# KiCad board kup-lulz.kicad_pcb (continued)
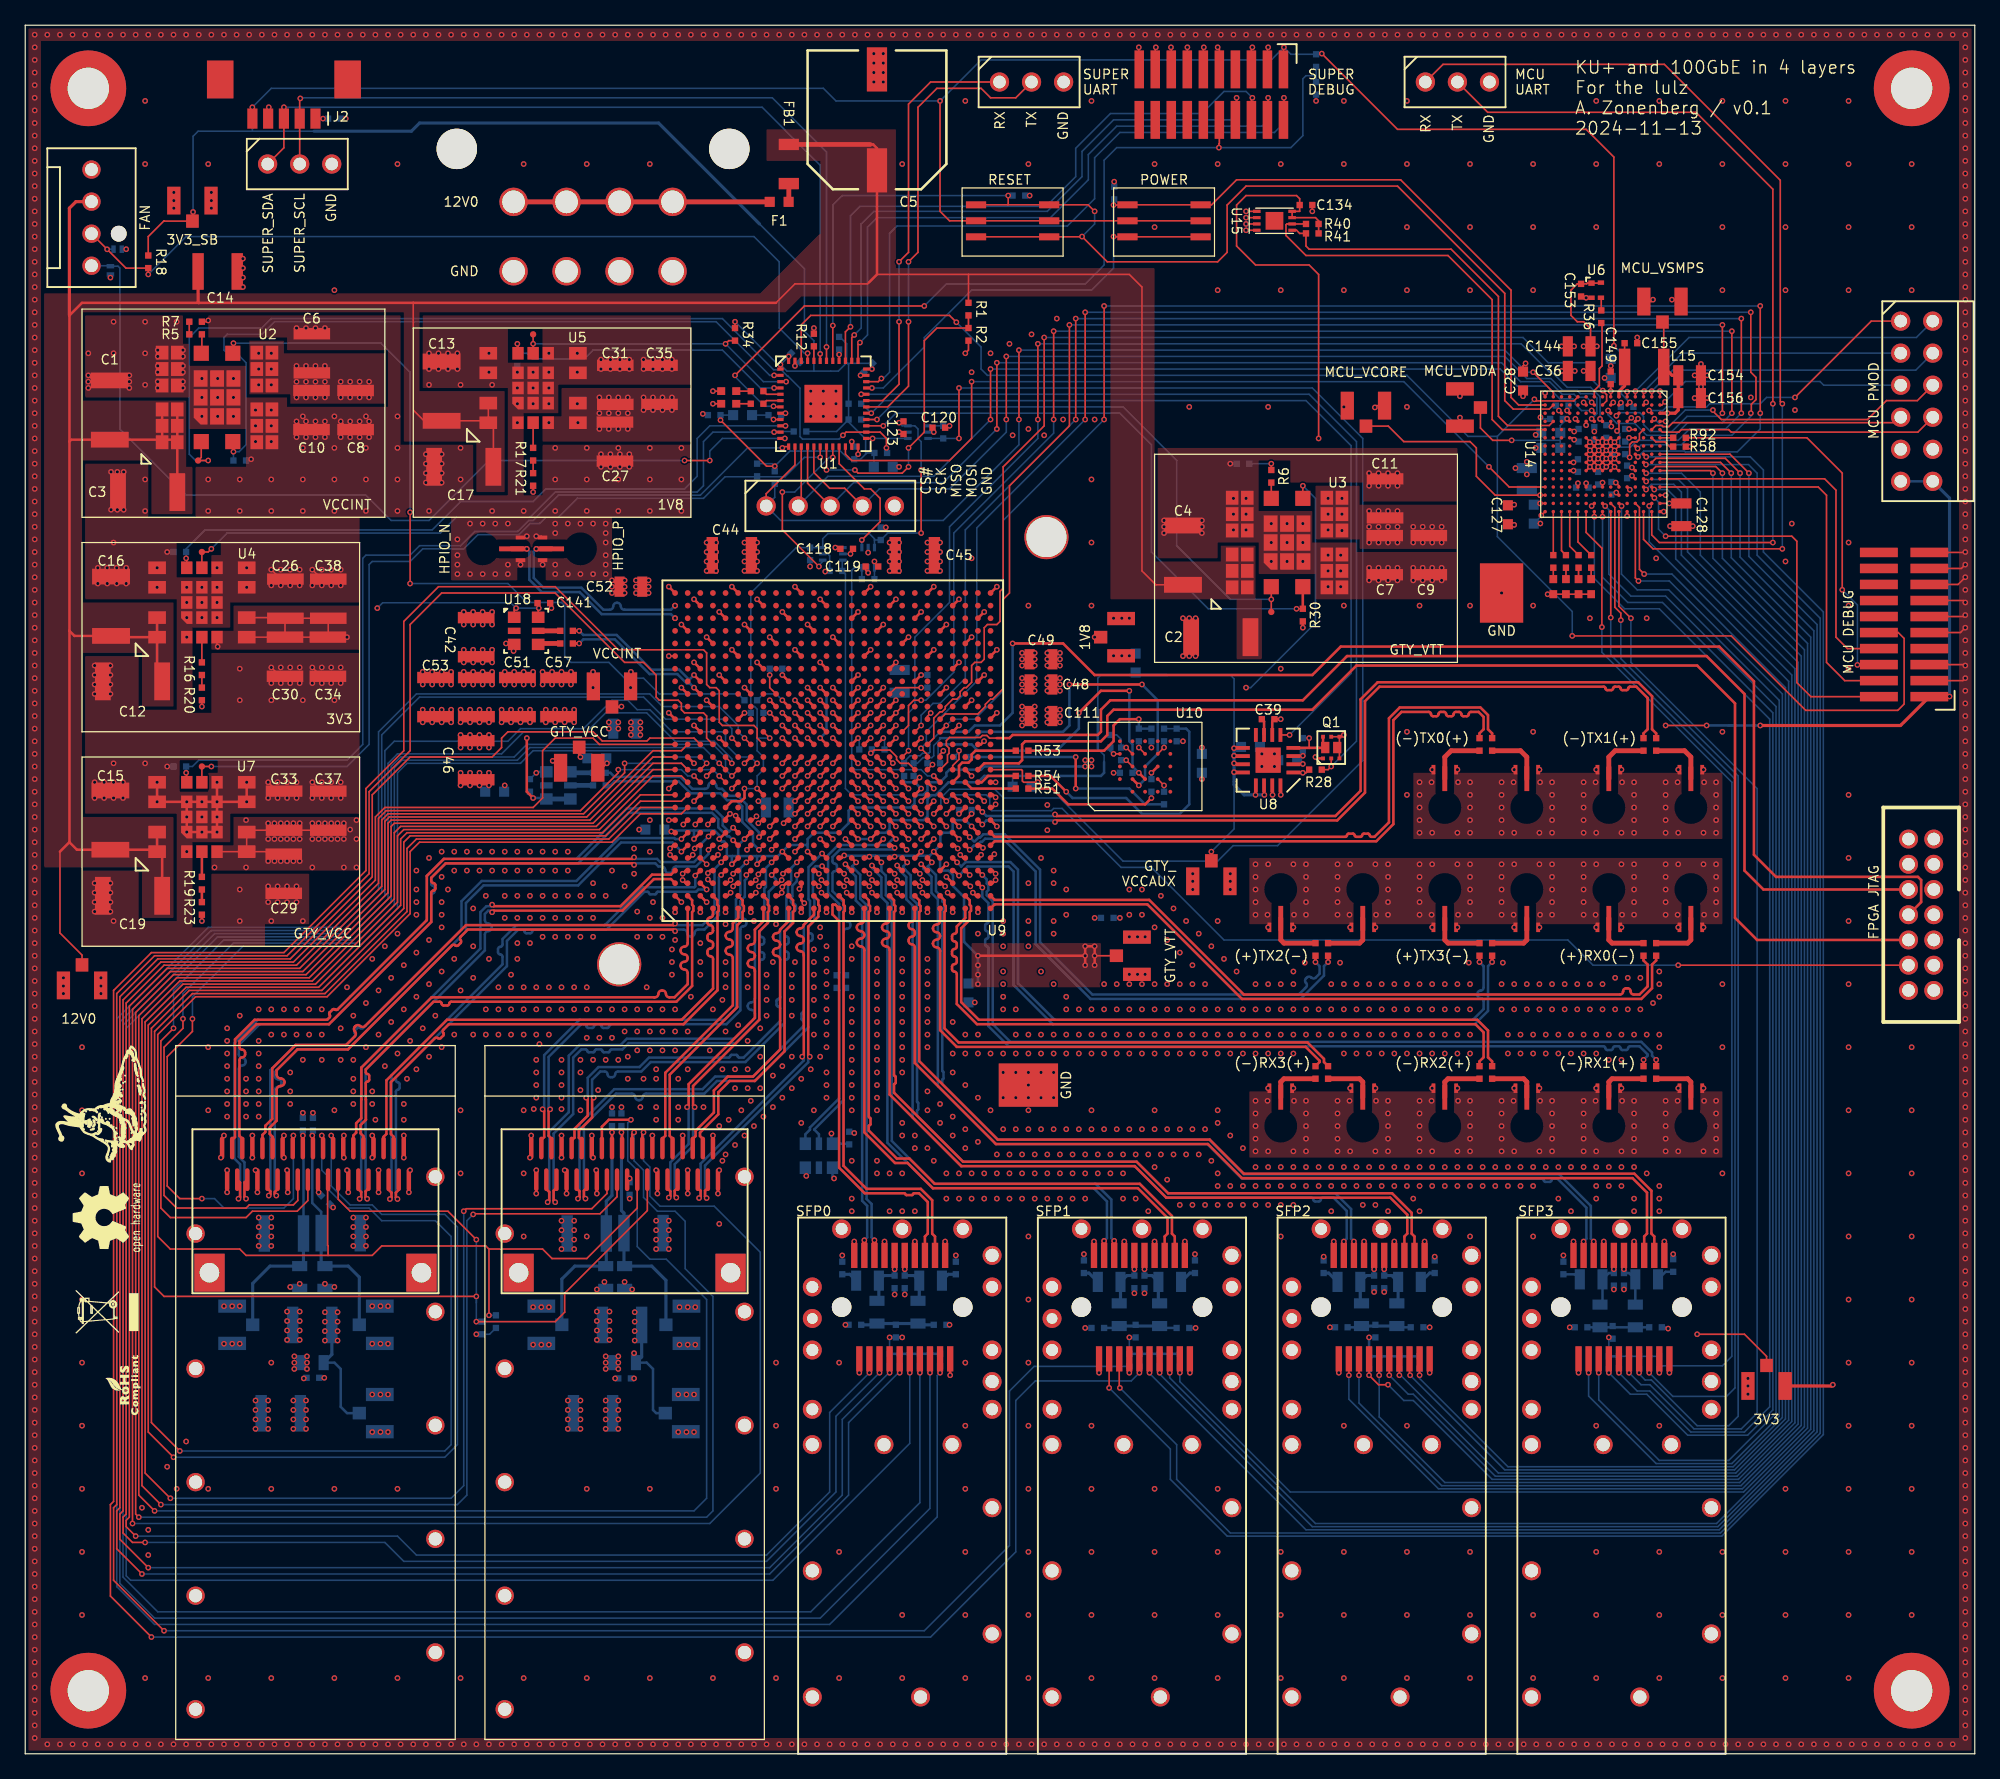
[diagram p0: board, top side]
## Routing (per net, layer and track width the routed paths; a pad name or vN(x,y) marks a point on that pad's centre or on a via; arc(x,y) is an arc through that point) (continued)
/Management/SFP0_TX_DISABLE: length 170.5
  Top w0.125: U9.C11 v1(53,77.5) ; J11.3 v1(67.7,30.2) ; v1(9.5,16.75) 8.5,16.75 7.75,17.5 7.75,18.75 8,19 8,59.5 11,62.5 21.5,62.5 28,69 28,74.15 28.6,74.75 44,74.75 47,77.75 v1(47,78)
  Bottom w0.125: v1(9.5,16.75) 28.5,16.75 30,15.25 58.75,15.25 64.25,20.75 64.25,26.75 v1(67.7,30.2) ; v1(53,77.5) 52.5,77.5 52,78 v1(47,78)
/Management/SFP0_TX_FAULT: length 171.3
  Top w0.125: U9.E11 v1(55,77.5) ; v1(47.5,78.5) 47.5,77.75 44.25,74.5 28.75,74.5 28.25,74 28.25,68.75 21.75,62.25 11.25,62.25 8.25,59.25 8.25,18.75 8,18.5 8,18 v1(8.75,17.25) ; J11.2 v1(66.9,30.2)
  Bottom w0.125: v1(8.75,17.25) 29.5,17.25 31,15.75 58.75,15.75 63.75,20.75 63.75,27.05 v1(66.9,30.2) ; v1(47.5,78.5) 52,78.5 52.5,78 54.5,78 v1(55,77.5)
/Management/SFP1_MOD_ABS: length 148.3
  Top w0.125: J9.6 v1(89.1,30.2) ; v1(136.6,101.5) 135.1,103 U14.A8
  Bottom w0.125: v1(136.6,101.5) 136.6,94.9 142,89.5 142,25.51 134.24,17.75 101.5,17.75 89.1,30.15 v1(89.1,30.2)
/Management/SFP1_RS0: length 147.6
  Top w0.125: v1(135.9,101.5) 134.72,102.67 129.22,102.67 U14.B9
  Top w0.2: J9.7 v1(89.9,30.2)
  Bottom w0.125: v1(135.9,101.5) 135.9,94.85 141.75,89 141.75,25.61 134.14,18 102,18 89.9,30.1 v1(89.9,30.2)
  Bottom w0.2: R67.2 v1(89.9,30.2)
/Management/SFP1_RS1: length 142.2
  Top w0.125: U14.B10 129.22,102.03 133.97,102.03 v1(134.5,101.5)
  Top w0.2: J9.9 v1(91.5,30.2)
  Bottom w0.125: v1(134.5,101.5) 134.5,94.75 141.25,88 141.25,25.82 136.18,20.75 100.25,20.75 91.5,29.5 v1(91.5,30.2)
  Bottom w0.2: R68.2 v1(91.5,30.2)
/Management/SFP1_RX_LOS: length 144.6
  Top w0.125: v1(135.2,101.5) 134.35,102.35 U14.A9 ; J9.8 v1(90.7,30.2)
  Bottom w0.125: v1(90.7,30.2) 90.7,29.8 102.25,18.25 134.04,18.25 141.5,25.71 141.5,88.5 135.2,94.8 v1(135.2,101.5)
/Management/SFP1_TX_DISABLE: length 155
  Top w0.125: 128.27,102.35 v1(128.44,102.18) ; J9.3 86.7,29.05 v1(86.75,29)
  Bottom w0.125: v1(128.44,102.18) 136.57,102.18 137.25,101.5 137.25,95 142.25,90 142.25,25.4 134.35,17.5 95.5,17.5 91.25,21.75 91.25,24.5 v1(86.75,29)
/Management/SFP1_TX_FAULT: length 156.9
  Top w0.125: U14.C8 v1(128.46,102.79) ; J9.2 v1(85.9,29)
  Bottom w0.125: v1(128.46,102.79) 136.71,102.79 137.75,101.75 137.75,95.25 142.5,90.5 142.5,25.3 134.45,17.25 95.25,17.25 90.75,21.75 90.75,24.15 v1(85.9,29)
/Management/SFP2_MOD_ABS: length 117.6
  Top w0.125: U14.B12 v1(129.1,100.2) ; J7.6 v1(108.1,30)
  Bottom w0.125: v1(129.1,100.2) 130.13,100.2 130.8,99.53 130.8,94.7 140,85.5 140,26.34 135.66,22 116.5,22 110,28.5 109.6,28.5 v1(108.1,30)
/Management/SFP2_RS0: length 114.9
  Top w0.125: J7.7 v1(108.9,30) ; U14.B14 v1(128.7,98.9)
  Bottom w0.125: v1(128.7,98.9) 128.7,96.05 139.75,85 139.75,26.44 135.56,22.25 116.75,22.25 109,30 v1(108.9,30)
  Bottom w0.2: R60.2 v1(108.9,30)
/Management/SFP2_RS1: length 113.4
  Top w0.125: U14.D15 127.6,93.2 v1(127.85,92.95) ; J7.9 v1(110.5,30)
  Bottom w0.125: v1(110.5,30) 110.5,29.75 117.5,22.75 135.35,22.75 139.25,26.65 139.25,84 130.3,92.95 v1(127.85,92.95)
  Bottom w0.2: R61.2 v1(110.5,30)
/Management/SFP2_RX_LOS: length 114.6
  Top w0.125: v1(109.75,30) 109.7,30.05 J7.8 ; U14.D14 127.93,98.78 127.93,93.88 v1(128.3,93.5)
  Bottom w0.125: v1(128.3,93.5) 130.5,93.5 139.5,84.5 139.5,26.54 135.46,22.5 117.25,22.5 v1(109.75,30)
/Management/SFP2_TX_DISABLE: length 125.7
  Top w0.125: J7.3 v1(105.7,30) ; U14.C10 v1(128.46,101.49)
  Bottom w0.125: v1(105.7,30) 105.7,27.8 112.25,21.25 135.97,21.25 140.75,26.03 140.75,87 132.75,95 132.75,100 131.26,101.49 v1(128.46,101.49)
/Management/SFP2_TX_FAULT: length 127.1
  Top w0.125: v1(133.75,101.5) 133.55,101.7 U14.A10 ; J7.2 v1(104.9,30)
  Bottom w0.125: v1(104.9,30) 104.9,28.1 112,21 136.08,21 141,25.92 141,87.5 133.75,94.75 v1(133.75,101.5)
/Management/SFP3_MOD_ABS: length 89.6
  Top w0.125: v1(127.25,90) 126.3,90.95 U14.F15 ; J33.6 v1(127.1,30.2)
  Bottom w0.125: v1(127.1,30.2) 128.05,29.25 128.75,29.25 132.25,25.75 136,25.75 137.25,27 137.25,76.5 127.25,86.5 v1(127.25,90)
/Management/SFP3_RS0: length 87.9
  Top w0.125: v1(126.45,89.85) 126.45,90.4 125.97,90.88 125.97,98.78 U14.G14 ; J33.7 v1(127.9,30.2)
  Bottom w0.125: v1(126.45,89.85) 126.45,86.8 135.75,77.5 135.75,26.75 135,26 132.5,26 128.88,29.62 128.38,29.62 127.9,30.1 v1(127.9,30.2) R82.2
/Management/SFP3_RS1: length 79.3
  Top w0.125: v1(124.95,89.3) 124.95,95.55 123.7,96.8 U14.K15 ; v1(129.5,30.2) J33.9
  Bottom w0.125: v1(124.95,89.3) 124.95,87.3 135.25,77 135.25,31.5 134.5,30.75 129.75,30.75 R83.2 v1(129.5,30.2)
/Management/SFP3_RX_LOS: length 82.5
  Top w0.125: J33.8 v1(128.7,30.2) ; U14.G15 v1(125.65,90.05)
  Bottom w0.125: v1(128.7,30.2) 128.7,30.2 130.57,28.32 134.82,28.32 135.5,29 135.5,77.25 125.65,87.1 v1(125.65,90.05)
/Management/SFP3_TX_DISABLE: length 100.2
  Top w0.125: U14.H14 v1(125.21,98.89) ; J33.3 v1(124.7,30.2)
  Bottom w0.125: v1(125.21,98.89) 125.5,98.6 125.5,93.5 127.25,91.75 130,91.75 138.75,83 138.75,27 135,23.25 129.5,23.25 124.7,28.05 v1(124.7,30.2)
/Management/SFP3_TX_FAULT: length 100.9
  Top w0.125: U14.F14 v1(126.51,98.89) ; J33.2 v1(123.9,30.2)
  Bottom w0.125: v1(123.9,30.2) 123.9,28.35 129.25,23 135.25,23 139,26.75 139,83.5 130.25,92.25 127.75,92.25 126.5,93.5 126.5,98.88 v1(126.51,98.89)
/Management/VCORE: length 45.4
  Top w0.125: U14.A14 v1(130.3,99.1) ; TP5.1 108.03,105.22 109.25,104 114.5,104 115,103.5 115,101.25 116.5,99.75 v1(120.05,99.75) U14.R13 ; U14.A4 v1(130,105.6)
  In2.Cu w0.125: v1(120.05,99.75) 120.75,99.75 121,99.5 121,97.75 121.25,97.5 129.85,97.5 130.3,97.95 v1(130.3,99.1) 130.05,99.1 129.59,99.56 129.59,100.2 129.79,100.4 132.05,100.4 132.6,100.95 132.6,104.8 131.8,105.6 v1(130,105.6)
  Bottom w0.125: v1(120.05,99.75) 119.35,99.75 C124.1
/Management/VLXSMPS: length 4.4
  Top w0.125: C155.1 L15.2
  Top w0.25: U14.F1 126.3,107.97 126.75,108.42 L15.2
/Management/VSMPS: length 45.2
  Top w0.125: U14.R14 v1(120.05,99.1) ; L15.1 129.85,113.38 ; U14.A13 v1(130,99.75) ; U14.G2 v1(125.85,107.1)
  Top w0.25: L15.1 130.51,109.25 C154.1 C156.1 131,106.5 130.75,106.25 v1(130.15,106.25) U14.A3
  In2.Cu w0.125: 131.5,99.75 v1(130,99.75) ; 131.5,99.75 131.5,97.05 130.5,96.05 129.45,96.05 128.8,96.7 120.3,96.7 119.65,97.35 119.65,98.7 v1(120.05,99.1) ; 131.5,99.75 132.7,99.75 133.15,100.2 133.15,105.7 132.6,106.25 v1(130.15,106.25) 128.88,107.52 126.27,107.52 v1(125.85,107.1)
  Bottom w0.125: v1(120.05,99.1) 119.65,99.1
/Power Supply/BOOT0: length 1.1
  Top w0.125: U1.44 R12.1
/Power Supply/FAN1_PWM: length 74.2
  Top w0.125: v1(52.25,102.5) v1(54.25,102.5) ; v1(60.2,104.25) U1.12
  Bottom w0.125: v1(54.25,102.5) 54.25,103.25 55.25,104.25 v1(60.2,104.25) ; v1(52.25,102.5) 36.75,102.5 32,97.75 29,97.75 27,99.75 12.75,99.75 7.5,105 7.5,117.75 7.35,117.9 D4.2 ; J13.4 6.71,117.94
/Power Supply/FAN1_TACH: length 67.6
  Top w0.125: J13.3 v1(6.49,119.24) 7.98,117.75 R18.1 v1(9.75,117.25) ; U1.45 v1(62,111)
  Bottom w0.125: v1(6.49,119.24) 6.5,119.25 D3.2 ; v1(62,111) 61.75,111 59.75,113 59.75,118.25 57.75,120.25 12.75,120.25 v1(9.75,117.25)
/Power Supply/GTY_VCC_EN: length 68.2
  Top w0.125: U7.12 12.8,77.7 v1(12.75,77.75) ; U1.13 60.1,103.6 v1(60,103.5)
  Bottom w0.125: v1(12.75,77.75) R32.1 13.25,78.25 13.75,78.75 25.5,78.75 26.75,80 26.75,94.75 27,95 30.5,95 31.25,95.75 34.5,95.75 35.62,96.88 39.02,96.88 39.9,97.75 40.25,97.75 42.25,99.75 53.5,99.75 57.25,103.5 v1(60,103.5)
/Power Supply/GTY_VCC_PGOOD: length 69.6
  Top w0.125: v1(14.75,78.25) TP6.1 U7.11 ; v1(63,102.75) U1.18
  Bottom w0.125: v1(63,102.75) 61.75,102.75 60.21,101.21 55.46,101.21 53.75,99.5 43.75,99.5 42.25,98 41.25,98 40.75,97.5 40,97.5 39.12,96.62 35.88,96.62 34.75,95.5 31.5,95.5 30.5,94.5 27.5,94.5 27.25,94.25 27.25,80 25.5,78.25 v1(14.75,78.25)
/Power Supply/GTY_VCCAUX_EN_N: length 69.3
  Top w0.125: R28.1 103.25,78 v1(103.5,78.25) Q1.G1 ; U1.32 v1(66.25,107.75)
  Bottom w0.125: v1(103.5,78.25) 105.5,80.25 105.5,104 101.75,107.75 v1(66.25,107.75)
/Power Supply/GTY_VCCAUX_PGOOD: length 67
  Top w0.125: U8.5 v1(100.2,80.75) ; v1(67.05,106.25) U1.29
  Bottom w0.125: 66.3,107 v1(67.05,106.25) 68.05,107.25 101.5,107.25 105.08,103.67 105.08,85.62 v1(100.2,80.75)
/Power Supply/GTY_VTT_EN: length 48.2
  Top w0.125: R30.1 v1(100.75,90.75) ; v1(68,105.25) U1.27
  Top w0.2: R30.1 U3.8
  Bottom w0.125: v1(68,105.25) 69,106.25 86.75,106.25 89.25,103.75 89.25,95.25 93.75,90.75 v1(100.75,90.75)
/Power Supply/GTY_VTT_PGOOD: length 46
  Top w0.125: U3.7 v1(98.75,91.5) TP2.1 ; U1.28 v1(67.5,105.75)
  Bottom w0.125: R29.1 v1(67.5,105.75) 68.5,106.75 87,106.75 91.25,102.5 91.25,95.75 95.5,91.5 v1(98.75,91.5)
/Power Supply/GTY_VTT_SENSE: length 48.6
  Top w0.125: U3.21 v1(101.25,100.5)
  In2.Cu w0.125: v1(96.75,84.5) 96.5,84.5 96.25,84.25 96.25,74.25 96,74 86.75,74 86.5,73.75 86.5,66.5 v1(86.75,66.25)
  Bottom w0.125: v1(96.75,84.5) 97.12,84.5 102.25,89.63 102.25,99.5 v1(101.25,100.5) ; v1(86.75,66.25) R11.1
/Power Supply/GVEN_3V3: length 4.5
  Top w0.125: v1(101.75,80.5) 101.75,79.75 101.78,79.72
  Top w0.2: Q1.D1 102.85,79.92 ; 103,79.72 U8.4
  Bottom w0.125: R31.2 v1(101.75,80.5)
/Power Supply/SOFT_POWER: length 83.7
  Top w0.125: v1(86.25,122.75) 87.33,122.75 ; U14.R2 118.35,106.9 117.75,107.5 117.75,116 109,124.75 96,124.75 94.02,122.77 SW2.1 SW2.1 ; v1(67.1,108.25) U1.33 ; SW2.1 SW2.1 86.27,120.23 v1(86.25,120.25)
  Bottom w0.125: R4.2 86.3,122.8 v1(86.25,122.75) v1(86.25,120.25) 86.25,117.75 84.5,116 75,116 71.25,112.25 71.25,111.5 68,108.25 v1(67.1,108.25)
/Power Supply/SOFT_RESET: length 103.4
  Top w0.125: 77.87,122.77 77.9,122.8 v1(77.9,123.5) ; 77.87,122.77 SW1.1 84.23,122.77 v1(84.75,122.25) ; 77.87,122.77 SW1.1 ; U1.41 v1(64,113.2) ; SW1.1 SW1.1 83.77,120.23 85.75,118.25 94.5,118.25 95.25,119 95.25,122.75 96.75,124.25 108.75,124.25 117.25,115.75 117.25,107.25 117.93,106.58 120.78,106.58 U14.P2
  Bottom w0.125: v1(84.75,122.25) 84.75,121.25 v1(83.75,120.25) ; R3.2 v1(77.9,123.5) 64.75,123.5 64,122.75 v1(64,113.2)
/Power Supply/SUPER_I2C_SCL: length 65.3
  Top w0.125: U1.42 v1(63.5,111.5) ; TP7.2 J2.2 21.75,131.15 v1(21.8,131.2)
  Bottom w0.125: v1(21.8,131.2) 21.85,131.25 59.2,131.25 63.5,126.95 v1(63.5,111.5)
/Power Supply/SUPER_I2C_SDA: length 64
  Top w0.125: TP7.1 20.5,127.29 J2.3 ; v1(63,110.95) U1.43
  Bottom w0.125: v1(20.5,130.5) 58.4,130.5 63,125.9 v1(63,110.95)
/Power Supply/SUPER_JTAG_TCK: length 50.8
  Top w0.125: U1.37 66,111.7 v1(66.15,111.85) ; v1(98.5,131.25) 98.5,129.56
  Bottom w0.125: v1(66.15,111.85) 66.75,112.45 66.75,121 67.5,121.75 81.25,121.75 84.25,124.75 84.25,126.75 86.5,129 98,129 98.5,129.5 v1(98.5,131.25)
/Power Supply/SUPER_JTAG_TDI: length 48.6
  Top w0.125: v1(65.7,112.45) 65.5,112.25 U1.38 ; v1(96,131.25) 96,129.59
  Bottom w0.125: v1(96,131.25) 96,130 95.5,129.5 86.25,129.5 83.75,127 83.75,125 81,122.25 67.25,122.25 66.25,121.25 66.25,113 v1(65.7,112.45)
/Power Supply/SUPER_JTAG_TDO: length 50.9
  Top w0.125: v1(65.4,113.1) 65,112.7 U1.39 ; v1(97.25,131.25) 97.17,131.18 J41.6
  Bottom w0.125: v1(65.4,113.1) 65.4,121.9 66.15,122.65 80.9,122.65 83.25,125 83.25,127.25 86,130 93.25,130 95,131.75 96.75,131.75 v1(97.25,131.25)
/Power Supply/SUPER_JTAG_TMS: length 53.7
  Top w0.125: v1(67.85,109) 67.6,108.75 U1.34 ; v1(99.75,131.25) 99.75,129.53
  Bottom w0.125: v1(99.75,131.25) 99.75,129.25 99,128.5 86.75,128.5 84.75,126.5 84.75,123.25 82.59,121.09 69.09,121.09 68.5,120.5 68.5,109.5 68,109 v1(67.85,109)
/Power Supply/SUPER_JTAG_TRST: length 0.9
  Top w0.125: v1(64.5,110.9) U1.40
  Bottom w0.125: R22.1 v1(64.5,110.9)
/Power Supply/SUPER_LED0: length 1.5
  Top w0.125: U1.5 58.75,107.75 R13.2
/Power Supply/SUPER_LED1: length 1.5
  Top w0.125: U1.6 58.75,107.25 R14.2
/Power Supply/SUPER_RST_N: length 71.5
  Top w0.125: J41.10 94.64,127.63 94.6,127.6 v1(94.6,127.3) ; v1(56.25,109.25) 61.75,114.75 v1(71.25,114.75) ; U1.7 59.35,106.75 v1(59.3,106.8)
  Bottom w0.125: v1(56.25,109.25) 56.25,109.15 58.6,106.8 v1(59.3,106.8) ; 102.3,133 C22.1 ; 102.3,133 R15.2 ; 102.3,133 101.5,133 101.25,132.75 101.25,128.25 100.3,127.3 v1(94.6,127.3) 86.5,127.3 85.5,126.3 85.5,118 84,116.5 73,116.5 v1(71.25,114.75)
/Power Supply/SUPER_SPI_CS_N: length 82.3
  Top w0.125: v1(119.5,109.5) 121.1,107.9 U14.P1 ; v1(78.75,105.75) v1(78.75,111.25) ; U1.14 61,102.15 58.72,99.87 TP8.1
  Bottom w0.125: v1(78.75,105.75) 78.75,103.75 72.75,97.75 59.87,97.75 TP8.1 59.4,99.58 R9.1 ; v1(78.75,111.25) 117.25,111.25 119,109.5 v1(119.5,109.5)
/Power Supply/SUPER_SPI_MISO: length 75.2
  Top w0.125: U14.J2 v1(124.14,107.11) ; v1(77,105) v1(77,110.25) ; TP8.3 62,100.7 U1.16
  Bottom w0.125: v1(124.14,107.11) 123.74,107.51 122.99,107.51 122.75,107.75 121.8,107.75 120.8,108.75 118.5,108.75 117,110.25 v1(77,110.25) ; TP8.3 65.65,100.75 72.75,100.75 v1(77,105)
/Power Supply/SUPER_SPI_MOSI: length 77.1
  Top w0.125: U14.J4 v1(124.14,105.81) ; v1(77.75,110.75) v1(77.75,105.75) ; U1.17 62.5,101.55 63.75,100.3 64.94,100.3 TP8.4
  Bottom w0.125: v1(77.75,110.75) 117.25,110.75 119,109 120.9,109 121.85,108.05 123,108.05 123.25,107.8 124.2,107.8 124.55,107.45 124.55,106.22 v1(124.14,105.81) ; v1(77.75,105.75) 77.75,104.75 73.25,100.25 67.69,100.25 TP8.4
/Power Supply/SUPER_SPI_SCK: length 76
  Top w0.125: U14.J3 v1(124.14,106.46) ; U1.15 61.5,99.14 ; v1(76.5,109.75) v1(76.5,105.75)
  Bottom w0.125: v1(76.5,109.75) 116.9,109.75 118.25,108.4 120.6,108.4 121.61,107.39 122.64,107.39 122.85,107.17 122.85,106.95 123.34,106.46 v1(124.14,106.46) ; v1(76.5,105.75) 72,101.25 63.61,101.25 TP8.2
/Power Supply/SUPER_UART_RX: length 33.6
  Top w0.125: J3.1 71.75,132.5 70,130.75 70,119 v1(69.25,118.25) ; U1.31 67.95,107.25 69.25,108.55 v1(69.25,113.5)
  Bottom w0.125: v1(69.25,113.5) v1(69.25,118.25)
/Power Supply/SUPER_UART_TX: length 36.9
  Top w0.125: v1(70,118.25) 70.75,119 70.75,130.5 72.25,132 75.75,132 76.5,131.25 78.5,131.25 J3.2 ; v1(70,113.5) 70,108.4 68.35,106.75 U1.30
  Bottom w0.125: v1(70,113.5) v1(70,118.25)
/QSFP28 interface/QSFP0_VCC1: length 19.1
  Top w0.125: J15.30 v1(22,49)
  Bottom w0.2: C85.1 22.05,48.95 v1(22,49)
  Bottom w0.25: TP20.1 18.02,37.28 19.4,38.65 L9.1 22.05,38.95 C85.1
/QSFP28 interface/QSFP0_VCCRX: length 25.7
  Top w0.125: v1(23.25,44.5) 23.2,44.55 J15.10
  In2.Cu w0.125: 23.25,35.5 v1(23.75,35) v1(23.75,32.75) v1(24.75,32.75) v1(24.75,35)
  In2.Cu w0.2: v1(23.25,44.5) 23.25,35.5
  Bottom w0.2: TP18.1 25.5,27 25,27.5 25,30.5 24.5,31 L7.1
  Bottom w0.25: C83.1 24.3,31.65 L7.1
  vias: v1(23.75,34.25) v1(23.75,33.5) v1(24.75,34.25) v1(24.75,33.5)
/QSFP28 interface/QSFP0_VCCTX: length 18.6
  Top w0.125: v1(22.75,49) 22.8,48.95 J15.29
  Bottom w0.2: C84.1 23.45,42.95 22.75,43.65 v1(22.75,49)
  Bottom w0.25: TP19.1 26.48,37.78 25.6,38.65 L8.1 23.45,38.95 C84.1
/QSFP28 interface/QSFP1_VCC1: length 20
  Top w0.2: J16.30 v1(46.5,49.25)
  Bottom w0.2: C94.1 v1(46.5,49.25)
  Bottom w0.25: L12.1 43.55,38.65 42.52,37.62 TP23.1 ; 46.05,38.7 C88.1 46.05,43.8 46.5,44.25 v1(46.5,49.25)
/QSFP28 interface/QSFP1_VCCRX: length 25.3
  Top w0.125: 47.8,45.5 v1(47.9,45.6)
  In2.Cu w0.125: v1(48.25,31.75) 48.25,32.7 v1(48.3,32.75) v1(48.3,35) 46.9,36.4 46.9,44.8 47.7,45.6 v1(47.9,45.6)
  Bottom w0.125: L10.1 48.4,31.6 v1(48.25,31.75) ; v1(47.9,45.6) C92.1
  Bottom w0.2: TP21.1 50,27 49.75,27.25 49.75,30.5 49.25,31 L10.1
  Bottom w0.25: L10.1 48.85,31.45 C86.1
  vias: v1(48.3,34.25) v1(48.3,33.5)
/QSFP28 interface/QSFP1_VCCTX: length 19.7
  Top w0.2: J16.29 47.3,49.2 v1(47.25,49.25)
  Bottom w0.2: C93.1 v1(47.25,49.25)
  Bottom w0.25: 47.45,38.7 C87.1 47.45,42.85 47.25,43.05 v1(47.25,49.25) ; 50.78,34 50.78,37.53 49.65,38.65 L11.1
/QSFP28 interface/QSFP28A_RX1_N: length 42.2
  Top w0.2: U9.D1 54.5,66.5 arc(54.43,66.34) 54.28,66.28 arc(54.12,66.21) 54.06,66.06 54.06,65.9 arc(54.12,65.74) 54.28,65.68 arc(54.43,65.61) 54.5,65.46 54.5,65.25 54.51,65.24 arc(54.45,65.08) 54.29,65.02 arc(54.13,64.95) 54.07,64.79 54.07,64.64 arc(54.13,64.48) 54.29,64.42 arc(54.45,64.35) 54.51,64.19 54.51,64.04 arc(54.45,63.88) 54.29,63.82 arc(54.13,63.75) 54.07,63.59 54.07,63.44 arc(54.13,63.28) 54.29,63.22 arc(54.45,63.15) 54.51,62.99 54.51,60.66 52.03,58.17 33.43,58.17 28.62,53.37 28.62,49.12 28.4,48.9 J15.22
/QSFP28 interface/QSFP28A_RX1_P: length 42.3
  Top w0.2: J15.21 29.2,48.9 28.98,49.12 28.98,53.23 32.47,56.72 arc(32.59,56.77) 32.7,56.72 arc(32.81,56.68) 32.93,56.72 33.12,56.92 arc(33.17,57.03) 33.12,57.15 arc(33.08,57.26) 33.12,57.38 33.57,57.83 52.17,57.83 54.86,60.51 54.86,66.72 54.95,66.81 54.95,67.19 54.85,67.29 54.85,67.65 U9.D2
/QSFP28 interface/QSFP28A_RX2_N: length 45
  Top w0.2: U9.C3 v1(54,68.5) ; J15.18 29.6,44.7 29.38,44.47 29.38,44.09 v1(29.5,43.96)
  Bottom w0.2: v1(29.5,43.96) 29.38,44.09 29.38,52.48 arc(29.42,52.58) 29.52,52.63 arc(29.63,52.67) 29.67,52.78 29.67,53.08 arc(29.63,53.18) 29.52,53.23 arc(29.42,53.27) 29.38,53.38 29.38,53.63 38.17,62.43 38.17,64.43 39.07,65.33 39.42,65.33 arc(39.53,65.28) 39.57,65.18 arc(39.62,65.07) 39.72,65.03 40.02,65.03 arc(40.13,65.07) 40.17,65.18 arc(40.22,65.28) 40.32,65.33 46.07,65.33 49.07,68.33 49.33,68.33 arc(49.4,68.29) 49.43,68.22 arc(49.46,68.15) 49.53,68.12 49.92,68.12 arc(50,68.15) 50.03,68.22 arc(50.06,68.29) 50.13,68.33 53.17,68.33 53.35,68.5 v1(54,68.5)
/QSFP28 interface/QSFP28A_RX2_P: length 44.8
  Top w0.2: U9.C4 v1(53.1,69.6) ; J15.17 28.8,44.7 29.02,44.47 29.02,44.09 v1(28.9,43.96)
  Bottom w0.2: v1(53.1,69.6) 53.1,68.75 53.03,68.67 48.93,68.67 45.93,65.67 38.93,65.67 37.83,64.57 37.83,64.13 arc(37.77,64.01) 37.65,63.95 arc(37.52,63.9) 37.47,63.78 37.47,63.53 arc(37.52,63.41) 37.65,63.35 arc(37.77,63.3) 37.83,63.17 37.83,62.57 29.02,53.77 29.02,44.09 v1(28.9,43.96)
/QSFP28 interface/QSFP28A_RX3_N: length 43.1
  Top w0.2: U9.B1 52.5,64.25 arc(52.42,64.05) 52.22,63.97 arc(52.02,63.89) 51.94,63.69 51.94,63.65 arc(52.02,63.45) 52.22,63.37 arc(52.42,63.29) 52.5,63.09 52.5,63.05 arc(52.42,62.85) 52.22,62.77 arc(52.02,62.69) 51.94,62.49 51.94,62.45 arc(52.02,62.25) 52.22,62.17 arc(52.42,62.09) 52.5,61.89 52.5,61 51.46,59.95 51.05,59.95 arc(50.85,60.03) 50.78,60.22 arc(50.7,60.42) 50.51,60.49 50.45,60.49 arc(50.25,60.42) 50.18,60.22 arc(50.1,60.03) 49.91,59.95 32.21,59.95 26.64,54.39 26.64,51.85 26.63,51.84 26.63,50.37 26.23,49.97 26.23,49.22 26,49 J15.25
/QSFP28 interface/QSFP28A_RX3_P: length 43.1
  Top w0.2: U9.B2 52.85,67.65 52.85,67.29 52.95,67.19 52.95,66.81 52.85,66.71 52.85,60.85 51.6,59.6 33.75,59.6 arc(33.65,59.56) 33.6,59.46 arc(33.56,59.35) 33.45,59.31 33.15,59.31 arc(33.05,59.35) 33,59.46 arc(32.96,59.56) 32.85,59.6 32.35,59.6 26.99,54.24 26.99,54.01 arc(27.03,53.92) 27.12,53.88 arc(27.22,53.84) 27.26,53.74 27.26,53.41 arc(27.22,53.32) 27.12,53.28 arc(27.03,53.24) 26.99,53.14 26.99,51.85 27,51.84 27,50.25 27,50.25 26.58,49.83 26.58,49.17 26.8,48.95 J15.24
/QSFP28 interface/QSFP28A_RX4_N: length 44.6
  Top w0.2: U9.A3 51.17,69.33 49.82,69.33 47.32,66.83 37.12,66.83 v1(37,66.7) ; v1(27.1,43.98) 26.98,44.11 26.98,44.58 27.2,44.8
  Bottom w0.2: v1(27.1,43.98) 26.98,44.11 26.98,54.23 36.42,63.68 36.42,64.93 arc(36.51,65.12) 36.7,65.2 arc(36.89,65.28) 36.97,65.47 36.97,65.53 arc(36.89,65.72) 36.7,65.8 arc(36.51,65.88) 36.42,66.08 36.42,66.56 36.69,66.83 36.88,66.83 v1(37,66.7)
/QSFP28 interface/QSFP28A_RX4_P: length 44.5
  Top w0.2: U9.A4 51.17,69.67 49.67,69.67 47.17,67.17 37.12,67.17 v1(37,67.3) ; v1(26.5,43.98) 26.62,44.11 26.62,44.53 26.4,44.75
  Bottom w0.2: v1(26.5,43.98) 26.62,44.11 26.62,54.37 36.08,63.82 36.08,66.71 36.54,67.17 36.88,67.17 v1(37,67.3)
/QSFP28 interface/QSFP28A_TX1_N: length 65.7
  Top w0.2: v1(17.5,43.99) 17.38,44.12 17.38,45.28 J15.3 ; U9.F6 v1(56.1,72.4)
  Bottom w0.2: v1(56.1,72.4) 55.78,72.72 55.63,72.72 54.92,73.43 54.92,74.08 54.43,74.58 47.82,74.58 43.82,70.58 33.32,70.58 32.17,69.43 32.17,68.92 arc(32.21,68.84) 32.3,68.8 arc(32.39,68.76) 32.42,68.67 32.42,68.33 arc(32.39,68.24) 32.3,68.2 arc(32.21,68.16) 32.17,68.08 32.17,65.93 24.07,57.83 18.57,57.83 16.92,56.18 16.92,55.42 arc(17.01,55.23) 17.2,55.15 arc(17.39,55.07) 17.47,54.88 17.47,54.83 arc(17.39,54.63) 17.2,54.55 arc(17.01,54.47) 16.92,54.28 16.92,47.32 17.38,46.87 17.38,44.12 v1(17.5,43.99)
/QSFP28 interface/QSFP28A_TX1_P: length 65.7
  Top w0.2: J15.2 17.02,45.28 17.02,44.12 v1(16.9,43.99) ; U9.F7 v1(56.1,73.4)
  Bottom w0.2: v1(16.9,43.99) 17.02,44.12 17.02,46.73 16.58,47.18 16.58,56.32 18.43,58.17 23.93,58.17 24.13,58.37 arc(24.17,58.47) 24.13,58.57 arc(24.09,58.66) 24.13,58.76 24.36,58.99 arc(24.45,59.03) 24.55,58.99 arc(24.65,58.95) 24.74,58.99 25.74,59.99 31.83,66.07 31.83,69.57 33.18,70.92 43.68,70.92 47.68,74.92 54.58,74.92 55.28,74.23 55.28,73.57 55.77,73.08 55.78,73.08 v1(56.1,73.4)
/QSFP28 interface/QSFP28A_TX2_N: length 52.2
  Top w0.2: J15.33 19.6,48.9 19.38,49.12 19.38,49.63 19.92,50.18 19.92,52.62 arc(20.01,52.84) 20.23,52.92 20.25,52.92 arc(20.46,53.01) 20.55,53.22 arc(20.46,53.44) 20.25,53.53 20.23,53.53 arc(20.01,53.61) 19.92,53.83 19.92,54.18 21.57,55.83 25.57,55.83 33.83,64.08 arc(33.95,64.13) 34.07,64.08 arc(34.2,64.03) 34.32,64.08 34.5,64.26 arc(34.55,64.38) 34.5,64.5 arc(34.45,64.63) 34.5,64.75 35.07,65.33 51.38,65.33 v1(51.5,65.2) ; U9.E4 v1(55.15,69.65)
  Bottom w0.2: v1(55.15,69.65) 54.97,69.47 54.97,66.48 53.82,65.33 53.33,65.33 arc(53.13,65.25) 53.05,65.05 arc(52.97,64.86) 52.78,64.78 52.72,64.78 arc(52.53,64.86) 52.45,65.05 arc(52.37,65.25) 52.18,65.33 51.62,65.33 v1(51.5,65.2)
/QSFP28 interface/QSFP28A_TX2_P: length 52.2
  Top w0.2: v1(51.5,65.8) 51.38,65.67 34.93,65.67 26.93,57.68 arc(26.74,57.6) 26.55,57.68 arc(26.36,57.75) 26.17,57.68 26.13,57.63 arc(26.05,57.44) 26.13,57.25 arc(26.2,57.06) 26.13,56.87 25.43,56.17 21.43,56.17 19.58,54.32 19.58,50.32 19.02,49.77 19.02,49.28 18.8,49.05 J15.34 ; U9.E5 v1(55.15,70.65)
  Bottom w0.2: v1(55.15,70.65) 54.62,70.12 54.62,66.62 53.68,65.67 51.62,65.67 v1(51.5,65.8)
/QSFP28 interface/QSFP28A_TX3_N: length 55.8
  Top w0.2: 17.2,48.75 16.98,48.97 16.98,54.97 arc(17.04,55.13) 17.2,55.2 arc(17.36,55.27) 17.42,55.42 17.42,55.58 arc(17.36,55.73) 17.2,55.8 arc(17.04,55.87) 16.98,56.03 16.98,56.48 18.32,57.83 24.07,57.83 32.17,65.93 32.17,68.24 arc(32.22,68.36) 32.34,68.41 arc(32.46,68.46) 32.51,68.58 32.51,68.84 arc(32.46,68.96) 32.34,69.01 arc(32.22,69.06) 32.17,69.17 32.17,69.43 33.32,70.58 48.12,70.58 v1(48.25,70.45) ; U9.D6 v1(54.15,71.65)
  Bottom w0.2: v1(54.15,71.65) 54.15,71.32 53.15,70.33 51.58,70.33 arc(51.39,70.25) 51.32,70.07 arc(51.24,69.88) 51.06,69.81 50.97,69.81 arc(50.79,69.88) 50.72,70.07 arc(50.64,70.25) 50.46,70.33 50.18,70.33 49.93,70.58 48.38,70.58 v1(48.25,70.45)
/QSFP28 interface/QSFP28A_TX3_P: length 55.9
  Top w0.2: v1(48.25,71.05) 48.12,70.92 33.18,70.92 31.83,69.57 31.83,66.07 24.74,58.99 arc(24.64,58.95) 24.55,58.99 arc(24.46,59.03) 24.36,58.99 24.13,58.75 arc(24.09,58.66) 24.13,58.56 arc(24.17,58.47) 24.13,58.37 23.93,58.17 18.18,58.17 16.62,56.62 16.62,48.88 16.4,48.65 ; 54.45,73 v1(54.15,72.7)
  Bottom w0.2: v1(54.15,72.7) 53.53,72.08 53.53,71.2 53,70.67 50.32,70.67 50.07,70.92 48.38,70.92 v1(48.25,71.05)
/QSFP28 interface/QSFP28A_TX4_N: length 53.2
  Top w0.2: v1(19.9,44.24) 19.77,44.37 19.77,44.53 20,44.75 ; U9.B6 v1(52,71.5)
  Bottom w0.2: v1(52,71.5) 52,71.52 51.3,72.22 47.22,72.22 43.82,68.83 36.32,68.83 34.92,67.43 34.92,65.18 25.57,55.83 21.57,55.83 19.77,54.03 19.77,53.72 arc(19.85,53.54) 20.04,53.46 arc(20.23,53.38) 20.31,53.19 20.31,53.12 arc(20.23,52.94) 20.04,52.86 arc(19.85,52.78) 19.77,52.59 19.77,44.37 v1(19.9,44.24)
/QSFP28 interface/QSFP28A_TX4_P: length 53.2
  Top w0.2: 19.25,44.75 19.42,44.58 19.42,44.37 v1(19.3,44.24) ; U9.B7 v1(52,72.5)
  Bottom w0.2: v1(19.3,44.24) 19.42,44.37 19.42,54.17 21.43,56.17 25.43,56.17 26.13,56.87 arc(26.17,56.99) 26.13,57.1 arc(26.08,57.21) 26.13,57.32 26.33,57.52 arc(26.44,57.57) 26.55,57.52 arc(26.66,57.48) 26.78,57.52 26.97,57.72 34.58,65.32 34.58,67.57 36.18,69.17 43.68,69.17 47.08,72.57 51.44,72.57 51.52,72.5 v1(52,72.5)
/QSFP28 interface/QSFP28B_RX1_N: length 29.1
  Top w0.2: U9.M1 62.5,66.5 61.7,65.7 arc(61.62,65.5) 61.42,65.42 arc(61.22,65.33) 61.14,65.13 61.14,65.1 arc(61.22,64.9) 61.42,64.82 arc(61.62,64.73) 61.7,64.53 61.7,64.5 arc(61.62,64.3) 61.42,64.22 arc(61.22,64.13) 61.14,63.93 61.14,63.9 arc(61.22,63.7) 61.42,63.62 arc(61.62,63.53) 61.7,63.33 61.7,55.38 v1(61.58,55.25) ; v1(53.4,44.04) 53.53,44.17 53.53,44.62 53.3,44.85
  Bottom w0.2: v1(53.4,44.04) 53.53,44.17 53.53,46.77 61.7,54.95 61.7,55.12 v1(61.58,55.25)
/QSFP28 interface/QSFP28B_RX1_P: length 29
  Top w0.2: v1(62.18,55.25) 62.05,55.38 62.05,65.55 62.85,66.35 62.85,66.71 62.95,66.81 62.95,67.19 62.85,67.29 62.85,67.65 U9.M2 ; v1(54,44.04) 53.88,44.17 53.88,44.62 54.1,44.85
  Bottom w0.2: v1(62.18,55.25) 62.05,55.12 62.05,54.8 53.88,46.63 53.88,44.17 v1(54,44.04)
/QSFP28 interface/QSFP28B_RX2_N: length 23.9
  Top w0.2: U9.K1 60.5,66 59.83,65.32 arc(59.74,65.12) 59.54,65.04 arc(59.34,64.96) 59.26,64.76 59.26,64.72 arc(59.34,64.52) 59.54,64.44 arc(59.74,64.36) 59.83,64.16 59.83,64.12 arc(59.74,63.92) 59.54,63.84 arc(59.34,63.76) 59.26,63.56 59.26,63.52 arc(59.34,63.32) 59.54,63.24 arc(59.74,63.16) 59.83,62.96 59.83,55.82 57.68,53.67 55.68,53.67 54.58,52.57 54.58,50.82 53.12,49.37 53.12,48.96 52.9,48.73
